# Altium PCB AMC_Box_Mainboard.PcbDoc (part 5 of 8) (continued)
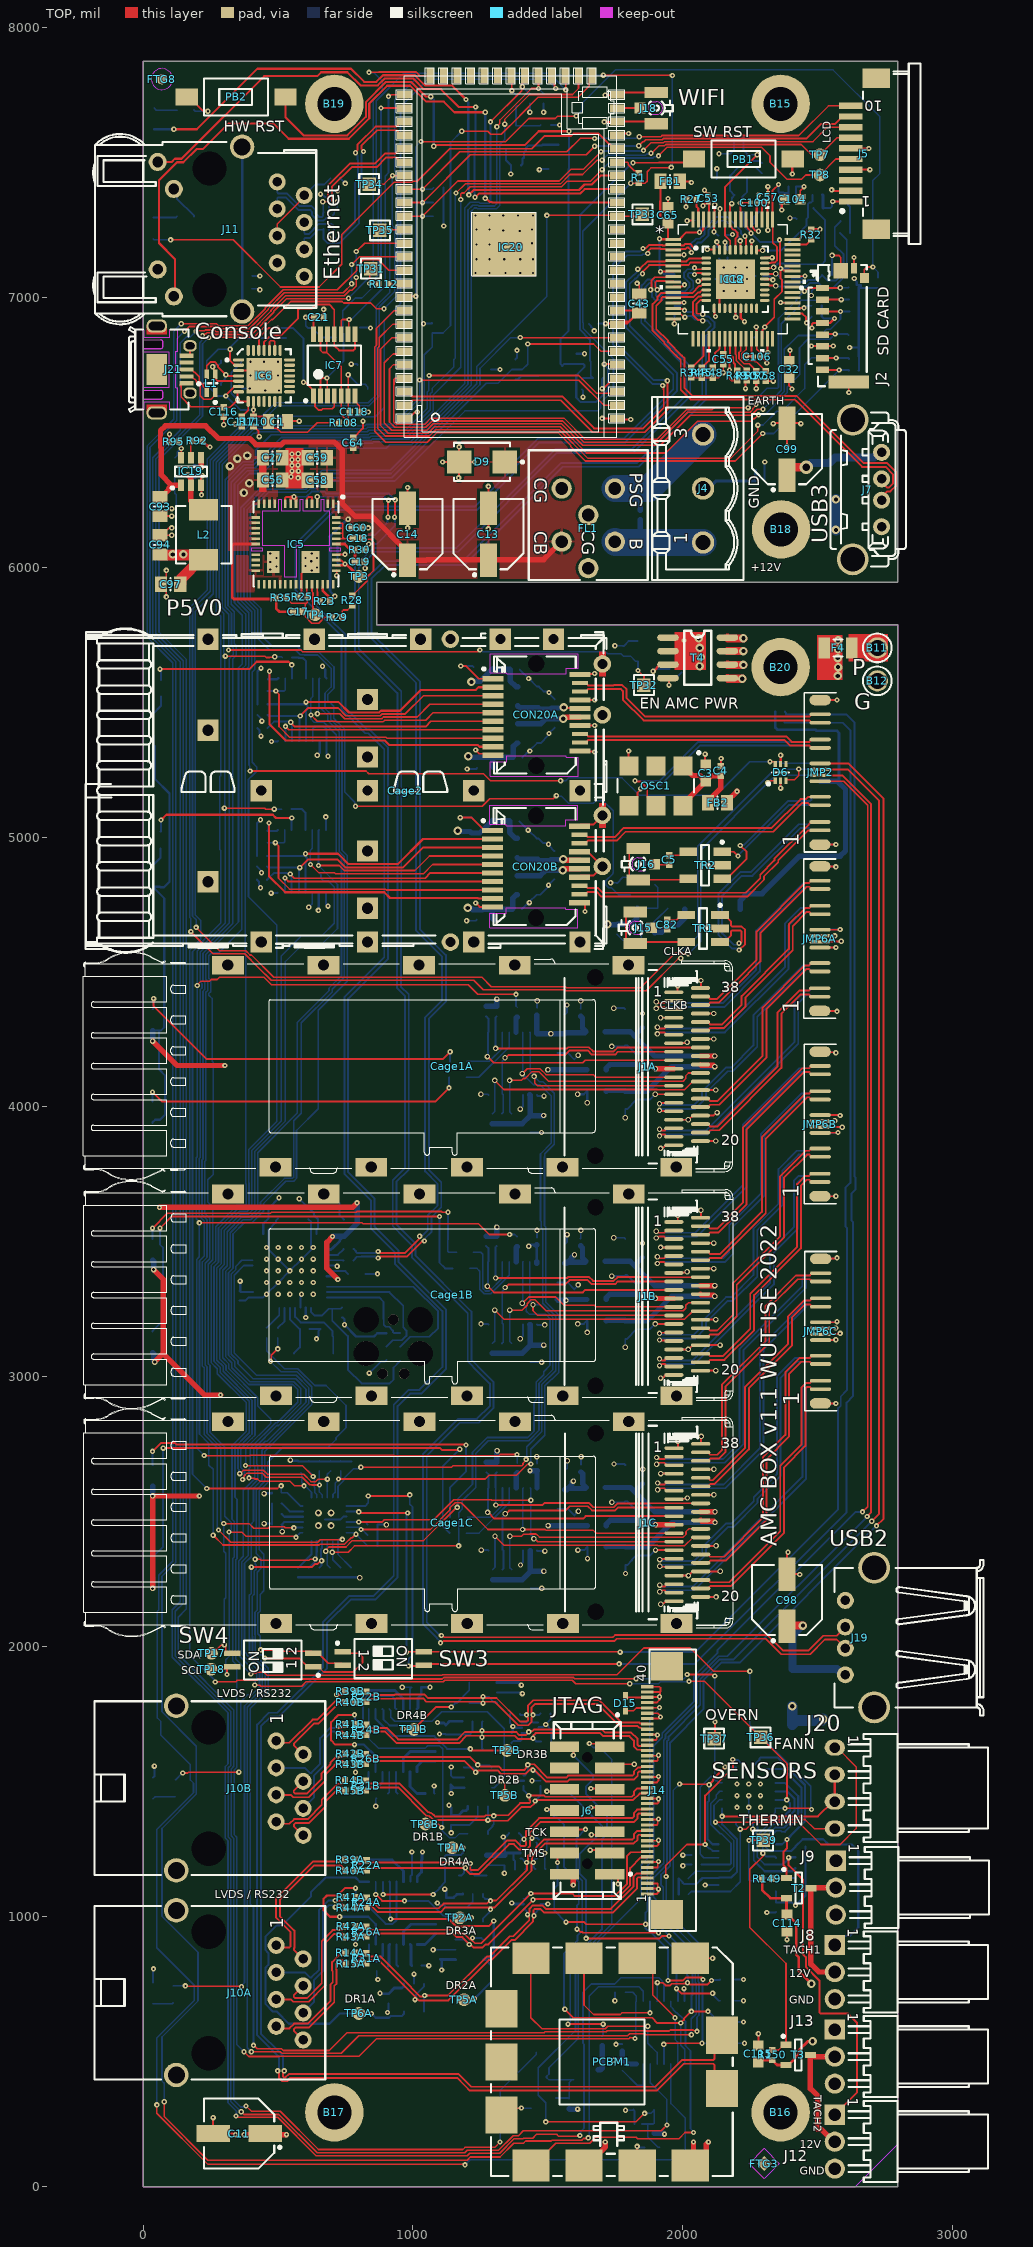
[diagram p0: TOP view]
## Nets (pads, with @x,y where several pads share a name; then routed paths per layer and width w, separated by ;. In a path a pad name is that pad's centre, name@x,y a point inside that pad or via, vN(x,y) a via of type N, cw(c..) or ccw(c..) an arc to the next point about the centre after c; other vN are vias at no path point) (continued)
  BTM w7: v1(721.5,1596.85) 741.73,1596.85 R18B.1@749.21,1604.33
LVDS3_N: D4B.3 IC13B.3 J14.20 R15B.2 R31B.1 | length 1282.9
  TOP w7: R15B.2@786.22,1466.54 794.14,1474.45 794.14,1475.36 798.24,1479.47 813.05,1479.47 824.8,1467.72 R31B.1@825.59,1467.72 826.38,1467.72 837.88,1479.22 944.88,1479.22 1044.16,1379.94 1048.86,1375.24 cw(c1046.26,1343.5) 1071.41,1363.04 1071.97,1362.48 1076.32,1358.13 v1@1271.82,1358.13 ; v1@1277.57,1362.2 1277.57,1361.81 1283.43,1355.95 1352.13,1355.95 1403.11,1406.93 1436.39,1406.93 1448.69,1419.23 ; v1@1460.56,1432.81 1816.35,1432.81 1839.8,1456.26 1865.7,1456.26 J14.20@1868.11,1458.66
  BTM w7: v1@1277.56,1358.14 IC13B.3@1277.56,1409.45 ; v1(1452.76,1429.13) 1472.05,1448.43 D4B.3@1472.05,1484.25
  other v1: 1277.57,1358.13
LVDS3_P: D4B.4 IC13B.4 J14.21 R14B.2 R31B.2 | length 1340.4
  TOP w7: R14B.2@785.04,1505.91 785.04,1505.12 796.69,1493.47 813.54,1493.47 824.8,1504.72 R31B.2@825.59,1504.72 826.38,1504.72 837.88,1493.22 950.68,1493.22 1051.49,1392.42 1055.49,1388.41 cw(c1046.26,1343.5) 1081.87,1372.38 1082.12,1372.13 1266.02,1372.13 1270.09,1376.2 1299.21,1376.2 1352.57,1376.2 1397.31,1420.93 1430.59,1420.93 1434.69,1425.03 1434.69,1430.83 1431.56,1433.96 1431.56,1442.96 1431.39,1443.13 1429.13,1443.13 1434.82,1448.82 1486.26,1448.82 1490.55,1444.53 1811.49,1444.53 1818.26,1451.3 1818.26,1463.2 1830.57,1475.5 1843.89,1475.5 1844.32,1475.94 1865.7,1475.94 J14.21@1868.11,1478.35
  BTM w7: IC13B.4@1277.56,1307.09 1277.56,1316.93 1295.28,1334.65 1295.28,1338.58 1299.21,1342.52 v1(1299.21,1374.02) ; D4B.4@1409.84,1484.25 1409.84,1468.11 v1(1429.13,1448.82)
LVDS3A_N: D4A.3 IC13A.3 J14.4 R15A.2 R31A.1 | length 1503.2
  TOP w7: R15A.2@787.4,826.77 795.32,834.69 795.32,835.6 799.42,839.7 814.24,839.7 825.98,827.95 R31A.1@826.77,827.95 827.56,827.95 839.06,839.46 873.14,839.46 940.94,771.65 v1@1013.78,698.82 ; 1017.94,694.66 1022,690.59 1131.65,690.59 1280.52,839.46 1290.42,839.46 1364.7,913.74 1376.68,913.74 1444.75,981.81 v1@1444.75,997.78 ; v1@1449.86,1002.89 v1(1448.82,1003.94) 1446.39,1006.36 1446.39,1014.29 1446.3,1014.38 1446.3,1024.28 1450.4,1028.38 1473.51,1028.38 1486.72,1015.18 1739.5,1015.18 1830.54,1106.21 1830.54,1142.44 1834.64,1146.54 1840.55,1146.54 1840.99,1146.11 1865.7,1146.11 J14.4@1868.11,1143.7
  BTM w7: v1(1007.87,692.91) 1007.87,696.35 1011.81,700.28 1011.81,712.6 1041.34,742.13 IC13A.3@1041.34,751.97 ; v1(1448.82,1003.94) 1452.76,1007.87 1452.76,1013.58 1466.73,1027.56 D4A.3@1472.05,1027.56
LVDS3A_P: D4A.4 IC13A.4 J14.5 R14A.2 R31A.2 | length 1496.5
  TOP w7: R14A.2@786.22,866.14 786.22,865.35 797.87,853.7 814.73,853.7 825.98,864.96 R31A.2@826.77,864.96 827.56,864.96 839.06,853.46 878.94,853.46 960.74,771.65 1027.8,704.59 v1@1043.31,704.59 ; v1(1043.31,708.66) 1129.92,708.66 1274.72,853.46 1284.63,853.46 1358.9,927.74 1370.88,927.74 1430.75,987.61 1430.75,998.51 1427.17,1002.09 1427.17,1004.09 1427.88,1004.81 v1(1424.74,1007.95) ; v1@1427.88,1007.95 1427.44,1008.39 1427.44,1013.54 1432.3,1018.39 1432.3,1030.08 1444.6,1042.38 1479.31,1042.38 1492.52,1029.18 1733.71,1029.18 1816.54,1112.01 1816.54,1148.24 1828.84,1160.54 1843.89,1160.54 1844.32,1160.98 1865.7,1160.98 J14.5@1868.11,1163.39
  BTM w7: IC13A.4@1041.34,649.61 1041.34,706.69 v1(1043.31,708.66) ; D4A.4@1409.84,1027.56 1415.16,1027.56 1422.31,1020.4 1422.31,1010.38 v1(1424.74,1007.95)
LVDS3CA_N: J10A.8 R15A.1 R21A.1 | length 446.1
  TOP w7: J10A.8@593.31,543.9 559.28,577.93 559.28,583.73 565.73,590.18 615.56,590.18 708.66,683.28 708.66,744.09 716.99,752.42 716.99,804.46 714.48,806.97 714.48,825.21 ; v1@728.48,839.21 738.74,839.21 750.39,827.56 R15A.1@750.39,826.77
  BTM w7: v1(724.41,830.71) 728.35,826.77 R21A.1@750.39,826.77
LVDS3CA_P: J10A.7 R14A.1 | length 457.7
  TOP w7: J10A.7@493.31,594.06 500.61,586.75 542.5,586.75 559.93,604.18 609.76,604.18 694.66,689.08 694.66,749.89 702.99,758.22 702.99,798.66 700.48,801.17 700.48,832.33 725.59,857.44 741.3,857.44 749.21,865.35 R14A.1@749.21,866.14
LVDS3CB_N: J10B.8 R15B.1 R21B.1 | length 333.8
  TOP w7: J10B.8@593.31,1301.77 559.28,1335.8 559.28,1341.6 565.73,1348.05 615.56,1348.05 676.38,1408.87 676.38,1428.06 v1@720.62,1472.3 ; 727.3,1478.98 737.56,1478.98 749.21,1467.32 R15B.1@749.21,1466.54
  BTM w7: v1(724.41,1468.5) 726.38,1466.54 R21B.1@749.21,1466.54
LVDS3CB_P: J10B.7 R14B.1 | length 336.3
  TOP w7: J10B.7@493.31,1351.93 500.61,1344.62 542.5,1344.62 559.93,1362.05 609.76,1362.05 662.38,1414.67 662.38,1433.86 721.5,1492.98 736.01,1492.98 740.11,1497.08 740.11,1497.99 R14B.1@748.03,1505.91
MENABLE#: D6.6 IC20.41 JMP4.6 TP33.1 | length 5390.4
  TOP w6: v1(397.03,5244.71) 826.04,5244.71 836.35,5234.4 1261.66,5234.4 1287.4,5208.66 v1(1547.24,5208.66) ; v1(1496.06,7303.15) 1755.75,7303.15 IC20.41@1758.5,7300.39 1843.7,7300.39 TP33.1@1850.39,7307.09 ; v1(2322.83,5279.53) 2323.28,5279.09 2339.61,5279.09 2342.52,5276.18 D6.6@2342.52,5270.87
  BTM w6: v1(397.03,5244.71) 395.67,5246.06 395.67,5263.55 392.67,5266.55 392.67,5616.04 403.03,5626.41 403.03,5834.93 361.73,5876.23 361.73,6220 451.99,6310.26 593.73,6310.26 608.4,6324.94 629.27,6324.94 663.07,6358.74 915.58,6358.74 1236.64,6679.8 1236.64,6743.02 1496.06,7002.44 v1(1496.06,7303.15) ; v1(1547.24,5208.66) v1(1547.24,5208.66) 1566.09,5208.7 1576.52,5219.14 1774.91,5219.14 1839.18,5154.87 2123.38,5154.87 2248.03,5279.53 v1(2322.83,5279.53) 2357.31,5279.53 2364.01,5272.83 JMP4.6@2507.87,5272.83
MODDEF0A: CON20A.6 IC3A.6 R90A.1 | length 932.3
  TOP w7: v1(547.29,5425.23) v1(547.29,5425.23) 562.99,5409.45 1047.24,5409.45 1066.73,5428.94 CON20A.6@1296.26,5428.94
  BTM w7: R90A.1@461.42,5403.54 461.42,5404.33 469.33,5412.25 470.12,5412.25 486,5428.13 535.65,5428.13 536.12,5427.66 544.86,5427.66 v1(547.29,5425.23) ; v1(547.29,5425.23) 547.24,5421.76 552.17,5416.84 IC3A.6@552.17,5356.3
MODDEF0B: CON20B.6 IC3B.6 R90B.1 | length 932.3
  TOP w7: v1(545.52,4863.26) 545.52,4863.18 561.22,4847.48 1045.47,4847.48 1064.96,4866.97 CON20B.6@1294.49,4866.97
  BTM w7: R90B.1@459.65,4841.57 459.65,4842.36 467.56,4850.28 468.35,4850.28 484.23,4866.16 533.88,4866.16 534.35,4865.69 543.09,4865.69 v1(545.52,4863.26) ; v1@545.47,4863.23 545.47,4859.8 550.39,4854.87 IC3B.6@550.39,4794.33
ModPrsLA: IC14A.7 J1A.27 R74A.1 | length 916.3
  TOP w6: v2(1303.15,4098.43) 1336.57,4065.01 1905,4065.01 1906.11,4063.89 2006.32,4063.89 2036.68,4094.25 J1A.27@2065.22,4094.25
  BTM w6: R74A.1@1294.35,3974.96 1294.73,3974.96 1303.15,3983.38 v2(1303.15,4098.43)
ModPrsLB: IC14B.7 J1B.27 R74B.1 | length 916.3
  TOP w6: v2(1303.27,3247.72) 1336.68,3214.3 1905.11,3214.3 1906.23,3213.18 2006.43,3213.18 2036.79,3243.55 J1B.27@2065.34,3243.55
  BTM w6: R74B.1@1294.47,3124.25 1294.85,3124.25 1303.27,3132.67 v2(1303.27,3247.72)
ModPrsLC: IC14C.7 J1C.27 R74C.1 | length 916.3
  TOP w6: v2(1304.07,2409.68) 1337.49,2376.27 1905.92,2376.27 1907.04,2375.15 2007.24,2375.15 2037.6,2405.51 J1C.27@2066.14,2405.51
  BTM w6: R74C.1@1295.28,2286.22 1295.66,2286.22 1304.07,2294.64 v2(1304.07,2409.68)
ModSelLA: IC14A.6 J1A.8 R80A.1 | length 862.3
  TOP w7: v2(1341.12,4182.14) 1344.29,4182.14 1355.48,4193.33 1564.1,4193.33 1580.48,4209.71 1647.2,4209.71 1662.49,4194.42 1748.64,4194.42 1758.71,4204.49 J1A.8@1966.4,4204.49
  BTM w7: R80A.1@1329.78,3974.96 1334.65,3979.82 1334.65,4045.04 1330.77,4048.92 1330.77,4168.62 1341.12,4178.97 v2(1341.12,4182.14)
ModSelLB: IC14B.6 J1B.8 R80B.1 | length 862.3
  TOP w7: v2(1341.24,3331.43) 1344.41,3331.43 1355.6,3342.62 1564.22,3342.62 1580.59,3359 1647.32,3359 1662.61,3343.71 1748.76,3343.71 1758.83,3353.78 J1B.8@1966.52,3353.78
  BTM w7: R80B.1@1329.9,3124.25 1334.76,3129.11 1334.76,3194.33 1330.89,3198.21 1330.89,3317.91 1341.24,3328.26 v2(1341.24,3331.43)
ModSelLC: IC14C.6 J1C.8 R80C.1 | length 862.3
  TOP w7: v2(1342.04,2493.4) 1345.21,2493.4 1356.4,2504.59 1565.02,2504.59 1581.4,2520.97 1648.13,2520.97 1663.41,2505.68 1749.57,2505.68 1759.64,2515.75 J1C.8@1967.33,2515.75
  BTM w7: R80C.1@1330.71,2286.22 1335.57,2291.08 1335.57,2356.3 1331.69,2360.18 1331.69,2479.88 1342.04,2490.23 v2(1342.04,2493.4)
MPS0#: D6.1 IC20.14 JMP4.8 TP34.1 | length 6435
  TOP w6: v1(196.85,4665.35) 283.75,4578.45 380.89,4578.45 396.35,4562.99 401.57,4562.99 484.25,4480.32 1255.91,4480.32 1290.61,4445.61 1565.13,4445.61 1568.9,4441.84 1843.42,4441.84 1970.32,4568.75 1999.4,4568.75 2001.22,4566.93 v1(2019.69,4566.93) ; TP34.1@838,7419 892.62,7419 v1(924.02,7450.39) IC20.14@968.5,7450.39 ; v1(2314.96,5200.79) 2322.83,5208.66 D6.1@2342.52,5208.66
  BTM w6: v1(196.85,4665.35) 196.85,4693.49 183.32,4707.02 183.32,5844.74 248.76,5910.18 248.76,6396.04 396.77,6544.05 445.62,6544.05 500,6598.43 838.58,6598.43 875.43,6635.28 875.43,6964.28 932.33,7021.17 932.33,7257.67 924.02,7265.99 v1(924.02,7450.39) ; v1(2019.69,4566.93) 2065.84,4613.09 2065.84,4951.67 v1(2314.96,5200.79) 2342.91,5228.74 JMP4.8@2507.87,5228.74
MPS1#: D6.3 IC20.18 JMP4.7 TP35.1 | length 6274.9
  TOP w6: v1(177.17,4649.61) 259.05,4567.73 376.45,4567.73 425.51,4518.66 425.64,4518.66 474.71,4469.59 1225.32,4469.59 1260.03,4434.89 1560.22,4434.89 1563.99,4431.12 1864.19,4431.12 1981.63,4548.56 1989.51,4548.56 v1(1992.13,4551.18) ; TP35.1@877.95,7248.03 880.32,7250.39 v1(914.76,7250.39) IC20.18@968.5,7250.39 ; D6.3@2381.89,5208.66 2381.89,5209.69 2384.8,5212.6 2413.39,5212.6 2429.13,5228.35 v1(2429.13,5251.97)
  BTM w6: v1(177.17,4649.61) 177.17,4698.01 172.6,4702.58 172.6,5849.76 238.04,5915.2 238.04,6400.49 392.32,6554.77 436.66,6554.77 491.04,6609.15 834.14,6609.15 864.71,6639.72 864.71,6968.72 914.76,7018.77 v1(914.76,7250.39) ; v1(1992.13,4551.18) 1992.13,4570.87 2055.12,4633.86 2055.12,4965.79 2340.12,5250.79 JMP4.7@2507.87,5250.79
NetC1_2: C1.2 D1.1 IC6.2 IC6.6 IC6.9 R108.1 R110.2 | length 1195
  TOP w6: R110.2@409.45,6557.87 446.9,6557.87 464.57,6540.2 C1.2@464.57,6539.37 464.57,6532.48 482.24,6514.81 495.52,6514.81 511.11,6499.22 609.46,6499.22 645.67,6535.43 R108.1@725.59,6535.43
  TOP w7: v1(307.09,6633.86) 307.09,6637.11 339.27,6669.29 IC6.6@354.33,6669.29 ; v1(322.83,6807.09) 322.83,6764.47 339.27,6748.03 IC6.2@354.33,6748.03 ; R110.2@409.45,6557.87 v1(409.45,6582.68) IC6.9@409.45,6614.17
  BTM w7: v1(409.45,6582.68) 360.24,6582.68 309.06,6633.86 v1(307.09,6633.86) 279.53,6633.86 278.49,6632.82 236.22,6675.09 236.22,6763.78 279.53,6807.09 v1(322.83,6807.09) 322.83,6814.96 356.3,6848.43 D1.1@529.53,6848.43
NetC5_2: C5.2 J16.1 | length 54.9
  TOP w6: J16.1@1894.69,4899.61 1896.65,4897.64 C5.2@1948.82,4897.64
NetC17_1: C17.1 IC5.36 R25.2 R29.1 R35.1 | length 334.2
  TOP w6: R35.1@530.31,5886.81 530.31,5886.03 550.2,5866.14 605.54,5866.14 ; IC5.36@606.3,5936.02 606.3,5893.51 R25.2@609.05,5890.75 609.05,5869.66 605.54,5866.14 ; R29.1@700.5,5815 673.3,5815 650.78,5792.48 624.81,5792.48 601.72,5815.56 601.72,5826.43 C17.1@592.52,5835.63 601.72,5844.84 601.72,5862.33 605.54,5866.14
NetC18_1: C18.1 R28.2 | length 277.1
  TOP w6: R28.2@775.59,5895.28 776.38,5895.28 830.71,5949.61 830.71,5964.57 853.75,5987.61 853.75,6092.8 843.46,6103.09 817.19,6103.09 C18.1@812.99,6107.29
NetC18_2: C18.2 IC5.48 IC5.49 IC5.50 IC5.51 | length 195.1
  TOP w6: IC5.48@716.54,6105.31 746.06,6105.31 ; IC5.49@716.54,6125 736.64,6125 740.16,6128.51 ; IC5.50@716.54,6144.68 739.2,6144.68 740.16,6145.65 ; IC5.51@716.54,6164.37 718.13,6162.78 740.16,6162.78 740.16,6145.65 ; C18.2@777.56,6107.29 775.59,6105.31 746.06,6105.31 ; 740.16,6128.51 740.16,6145.65 ; 740.16,6128.51 740.16,6111.22 746.06,6105.31
NetC19_2: C19.2 IC5.47 R30.1 | length 121.2
  TOP w10: IC5.47@716.54,6085.63 747.28,6085.63 761.73,6071.18 778.23,6071.18 784.65,6064.77 R30.1@784.65,6063.98 785.04,6063.59 785.04,6021.07 C19.2@785.43,6020.67
NetC20_2: C20.2 J11.2 J11.5 | length 315.6
  TOP w6: J11.5@497.24,7226.97 497.24,7271.5 597.24,7371.5 J11.2@597.24,7376.97
  BTM w6: J11.2@597.24,7376.97 637.6,7417.32 671.26,7417.32 C20.2@694.88,7440.94
NetC21_2: C21.2 D1.3 D21.3 IC7.14 | length 255.8
  TOP w7: v1(602.36,6925.2) C21.2@633.86,6925.2 631.89,6923.23 IC7.14@631.89,6862.2
  BTM w7: v1(602.36,6925.2) 602.91,6924.65 602.91,6895.12 612.2,6885.83 D1.3@620.08,6885.83 627.95,6885.83 663.39,6850.39 D21.3@714.57,6850.39
NetC29_1: C29.1 R36.1 T6.1 | length 273.2
  BTM w6: C29.1@1755.91,4639.76 1778.59,4617.08 1796.31,4617.08 T6.1@1805.12,4608.27 1832.68,4608.27 1846.46,4622.05 1846.46,4645.67 1858.27,4657.48 1858.27,4665.78 1861.78,4669.29 1877.95,4669.29 1905.51,4696.85 1905.51,4697.24 1943.7,4735.43 R36.1@1943.7,4736.22
NetC30_1: C30.1 R37.1 T4.4 | length 109.4
  TOP w7: T4.4@1944.88,5588.98 1948.82,5585.04 v1(1948.82,5562.99)
  BTM w7: v1(1948.82,5562.99) C30.1@1948.82,5588.58 1973.62,5588.58 1995.28,5610.24 R37.1@1996.06,5610.24
NetC70A_1: C70A.1 IC10A.3 | length 177.9
  BTM w10: IC10A.3@964.76,897.64 964.76,945.08 992.13,972.44 C70A.1@1083.86,972.44
NetC70A_2: C70A.2 IC10A.1 | length 84.2
  BTM w10: IC10A.1@1015.95,897.64 1044.49,897.64 C70A.2@1083.86,937.01
NetC70B_1: C70B.1 IC10B.3 | length 178.3
  BTM w10: IC10B.3@963.58,1537.4 963.58,1585.63 990.16,1612.2 C70B.1@1082.68,1612.2
NetC70B_2: C70B.2 IC10B.1 | length 95.8
  BTM w10: IC10B.1@1014.76,1537.4 1014.76,1557.09 1034.45,1576.77 C70B.2@1082.68,1576.77
NetC71A_1: C71A.1 IC10A.5 | length 82.7
  BTM w10: C71A.1@908.66,816.93 911.12,819.39 911.12,895.18 IC10A.5@913.58,897.64
NetC71A_2: C71A.2 IC10A.4 | length 82.7
  BTM w7.87: IC10A.4@939.17,897.64 939.17,821.85 C71A.2@944.09,816.93
NetC71B_1: C71B.1 IC10B.5 | length 82.7
  BTM w7: C71B.1@907.48,1456.69 912.4,1461.61 IC10B.5@912.4,1537.4
NetC71B_2: C71B.2 IC10B.4 | length 82.7
  BTM w7: IC10B.4@937.99,1537.4 937.99,1461.61 C71B.2@942.91,1456.69
NetC72A_1: C72A.1 IC10A.2 | length 81.1
  BTM w10: IC10A.2@990.35,897.64 993.21,894.78 993.21,821.75 C72A.1@996.06,818.9
NetC72B_1: C72B.1 IC10B.2 | length 121.2
  BTM w10: IC10B.2@989.17,1537.4 989.17,1483.27 1015.75,1456.69 C72B.1@1045.28,1456.69
NetC82_2: C82.2 J15.1 | length 60.5
  TOP w7: J15.1@1883.46,4664.17 1935.63,4664.17 C82.2@1941.54,4658.27
NetC88A_1: C88A.1 IC10A.6 | length 72
  BTM w10: C88A.1@866.14,834.65 887.99,856.5 IC10A.6@887.99,897.64
NetC88B_1: C88B.1 IC10B.6 | length 72
  BTM w7: C88B.1@864.96,1474.41 886.81,1496.26 IC10B.6@886.81,1537.4
NetC92_1: C92.1 IC19.4 | length 62.1
  TOP w20: IC19.4@214.96,6405.51 215.79,6404.68 215.79,6370.83 v1(216.54,6370.08)
  BTM w20: C92.1@191.34,6372.05 193.31,6370.08 v1(216.54,6370.08)
NetC92_2: C92.2 IC19.2 L2.1 | length 190.3
  TOP w20: v1(165.35,6342.52) 176.73,6331.14 176.73,6303.98 IC19.2@177.56,6303.15 177.56,6246.65 211.61,6212.6 L2.1@224.41,6212.6
  BTM w20: v1(165.35,6342.52) 169.06,6338.82 189.13,6338.82 C92.2@191.34,6336.61
NetC98_1: C98.1 F1.2 J19.1 | length 440.7
  TOP w30: C98.1@2385.83,2076.77 2387.8,2078.74 v4(2444.88,2078.74)
  BTM w30: v4@2440.94,2078.74 2405.51,2043.31 F1.2@2405.51,1917.91 2571.58,1917.91 2593.04,1896.46 J19.1@2601.97,1896.46
NetC99_1: C99.1 F2.2 J7.1 | length 393.1
  TOP w30: C99.1@2385.83,6340.55 2385.83,6353.58 2402.32,6370.08 v6(2456.69,6370.08)
  BTM w30: v6(2456.69,6370.08) 2472.68,6386.06 2542.95,6386.06 F2.2@2562.99,6406.1 2708.2,6406.1 2727.29,6425.2 J7.1@2736.22,6425.2
NetC102_2: C102.2 IC8.14 | length 79.6
  TOP w7: IC8.14@2194.88,6958.66 2195.44,6958.1 2195.44,6925.76 v1(2196,6925.2)
  BTM w7: v1(2196,6925.2) 2196.43,6925.62 2196.43,6970.05 C102.2@2196.85,6970.47
NetC103_2: C103.2 IC8.34 | length 59.8
  TOP w7: IC8.34@2155.51,7175.2 2155.9,7175.58 2155.9,7202.67 v1(2156.28,7203.05)
  BTM w7: v1(2156.28,7203.05) 2156.28,7202.49 2164.22,7194.56 2164.22,7176.33 C103.2@2165.35,7175.2
NetC118_1: C118.1 D10.1 IC7.5 IC7.6 IC7.12 IC7.13 R108.2 | length 721.1
  TOP w6: IC7.13@657.48,6862.2 657.48,6803.15 665.35,6795.28 681.1,6795.28 ; IC7.12@683.07,6862.2 681.1,6860.24 681.1,6795.28 ; v1(759.84,6712.6) IC7.6@759.84,6633.86 759.84,6544.64 760.48,6544 R108.2@766,6544 ; R108.2@762.6,6535.43 762.6,6536.22 734.25,6564.57 IC7.5@734.25,6633.86 734.25,6742.13 681.1,6795.28
  BTM w6: v1(759.84,6712.6) 795.32,6677.12 822.88,6677.12 832.68,6667.32 D10.1@832.68,6659.45
NetD5_3: D5.3 IC15.2 | length 88.4
  BTM w8: IC15.2@1379.92,6694.88 1388.78,6694.88 1402.56,6708.66 D5.3@1462.6,6708.66
NetD11_2: D11.2 IC6.4 L1.3 | length 225
  TOP w7: L1.3@236.22,6714.57 236.22,6746.02 250.39,6760.19 265.36,6760.19 277.56,6747.99 277.56,6742.13 v1(307.09,6712.6) 310.52,6712.6 314.46,6708.66 IC6.4@354.33,6708.66
  BTM w7: D11.2@289.37,6675.2 289.37,6683.07 304.66,6698.36 304.66,6710.17 v1(307.09,6712.6)
NetD11_3: D11.3 IC6.5 L1.2 | length 184
  TOP w7: v1(257.87,6742.13) 257.87,6738.69 263.34,6733.23 263.34,6718.94 L1.2@267.72,6714.57 269.69,6712.6 269.69,6696.85 277.56,6688.98 IC6.5@354.33,6688.98
  BTM w7: v1(257.87,6742.13) 261.31,6742.13 268.74,6749.56 281.06,6749.56 289.37,6757.87 D11.3@289.37,6765.75
NetF3_1: F3.1 T6.3 | length 166.7
  BTM w20: T6.3@1895.67,4645.67 1897.48,4647.48 1922.48,4647.48 1949.37,4674.37 1982.24,4674.37 2007.28,4699.41 F3.1@2007.28,4732.28
NetF4_1: F4.1 T4.5 T4.6 T4.7 T4.8 | length 236.8
  TOP w30: T4.5@2164.88,5588.98 2167.24,5586.61 v4(2220.47,5586.61) ; T4.6@2164.88,5638.98 2166.06,5637.8 v4(2224.41,5637.8) ; T4.7@2164.88,5688.98 v4(2224.41,5688.98) ; T4.8@2164.88,5738.98 2167.64,5736.22 v4(2224.41,5736.22)
  other v4: 2574,5597 2575,5630 2574,5663 2575,5695 2574.8,5728.35
NetIC3A_11: IC3A.11 R93A.1 | length 595.1
  TOP w7.87: v1(62.99,5622.05) 393.7,5622.05 421.26,5649.61 539.37,5649.61 v1(551.18,5637.8)
  BTM w7.87: v1(62.99,5622.05) 62.99,5618.85 66.93,5614.91 R93A.1@66.93,5582.68 ; v1(551.18,5637.8) 551.67,5637.3 551.67,5589.07 IC3A.11@552.17,5588.58
NetIC3A_13: IC3A.13 R8A.2 | length 119.9
  BTM w7.87: R8A.2@552.76,5665.35 575.98,5665.35 577.75,5663.59 592.32,5663.59 603.35,5652.56 IC3A.13@603.35,5588.58
NetIC3B_11: IC3B.11 R93B.1 | length 584.9
  TOP w7.87: v1(66.93,5062.99) 86.61,5082.68 480.69,5082.68 492.5,5070.87 v1(551.18,5070.87)
  BTM w7.87: R93B.1@65.16,5020.71 66.93,5022.48 v1(66.93,5062.99) ; IC3B.11@550.39,5026.61 550.79,5027.01 550.79,5070.47 v1(551.18,5070.87)
NetIC3B_13: IC3B.13 R8B.2 | length 119.9
  BTM w7.87: R8B.2@550.98,5103.39 588.78,5103.39 601.57,5090.59 IC3B.13@601.57,5026.61
NetIC5_4: IC5.4 IC5.43 IC5.44 TP3.1 | length 831.4
  TOP w7: IC5.4@645.67,6235.24 v1(645.67,6260.83) ; IC5.44@716.54,6026.57 717.96,6025.15 734.69,6025.15 v1(748.03,6011.81) ; v1(907.52,6185.04) 907.52,6246.1 v1(909.45,6248.03)
  TOP w10: IC5.43@716.54,6006.89 740.49,6006.89 745.41,6011.81 v1(748.03,6011.81) ; v1@748.03,6006.89 757.88,6006.89 TP3.1@799.21,5965.55
  BTM w7: v1(645.67,6260.83) 893.48,6260.83 906.27,6248.03 v1(909.45,6248.03) ; v1(748.03,6011.81) 724.57,6011.81 720.47,6015.91 720.47,6078.74 728.35,6086.61 744.09,6086.61 775.59,6118.11 858.27,6118.11 905.09,6164.94 905.09,6182.61 v1(907.52,6185.04)
NetIC5_5: IC5.5 IC5.6 | length 64.8
  TOP w7: IC5.6@606.3,6235.24 607.72,6236.66 607.72,6254.37 613.19,6259.84 625.82,6259.84 625.82,6235.4 IC5.5@625.98,6235.24
NetIC5_8: IC5.8 IC5.9 IC5.10 R30.2 | length 725
  TOP w7: IC5.10@527.56,6235.24 526.14,6236.66 526.14,6255.74 530.24,6259.84 547.24,6259.84 ; IC5.9@547.24,6235.24 547.24,6258.12 547.43,6258.31 557.37,6258.31 v1(559.58,6260.52) ; R30.2@821.65,6063.98 821.65,6064.77 833.76,6076.87 833.76,6083.09 v1(836.19,6085.52) ; v1(931.93,6185.23) 933.72,6187.02 933.72,6249.12 v1(933.98,6249.38)
  BTM w7: v1(559.58,6260.52) 559.79,6260.74 605.57,6260.74 624.37,6279.53 672.37,6279.53 679.35,6272.55 910.8,6272.55 v1(933.98,6249.38) ; v1(836.19,6085.52) 865.05,6085.52 933.46,6153.93 933.46,6183.7 v1(931.93,6185.23)
NetIC5_37: IC5.37 TP4.1 | length 117.1
  TOP w6: IC5.37@625.98,5936.02 625.98,5908.37 629.68,5904.68 629.68,5847.96 629.9,5847.73 629.9,5831.71 TP4.1@637.8,5823.82
NetIC5_38: IC5.38 R23.1 | length 67.1
  TOP w7: IC5.38@645.67,5936.02 645.67,5908.09 646.81,5906.96 646.81,5889.81 647.58,5889.04 647.58,5880.92 R23.1@655.5,5873
NetIC6_23: IC6.23 IC6.24 | length 86.2
  TOP w6: IC6.24@468.5,6803.15 468.5,6834.65 472.44,6838.58 484.67,6838.58 488.19,6835.07 IC6.23@488.19,6803.15
NetIC6_25: IC6.25 IC7.8 IC7.11 | length 648.7
  TOP w7: IC6.25@448.82,6803.15 448.82,6834.65 472.44,6858.27 511.81,6858.27 574.8,6921.26 574.8,6954.14 578.9,6958.24 626.95,6958.24 641.73,6973.03 689.78,6973.03 708.66,6954.14 IC7.11@708.66,6862.2 708.66,6820.87 726.38,6803.15 779.53,6803.15 785.43,6809.06 IC7.8@785.43,6862.2
NetIC6_26: IC6.26 IC7.1 IC7.4 | length 637.4
  TOP w7: IC6.26@429.13,6803.15 429.13,6850.39 464.57,6885.83 v1(498.03,6885.83) ; v1(594.49,6685.04) 596.92,6682.61 602.82,6682.61 631.89,6653.54 IC7.1@631.89,6633.86 637.25,6628.5 637.25,6595.04 649.61,6582.68 661.42,6582.68 665.35,6586.61 700.79,6586.61 708.66,6594.49 IC7.4@708.66,6633.86
  BTM w7: v1(498.03,6885.83) 555.89,6885.83 594.49,6847.23 v1(594.49,6685.04)
NetIC7_2: IC7.2 IC7.3 IC20.13 | length 1340.1
  TOP w6: IC7.2@657.48,6633.86 657.48,6692.91 665.35,6700.79 v1(681.1,6700.79) 682.09,6699.8 682.09,6634.84 IC7.3@683.07,6633.86 ; v1(881.89,7700.79) 968.11,7700.79 IC20.13@968.5,7700.39
  BTM w6: v1(681.1,6700.79) 742.96,6762.65 742.96,6866.39 740.16,6869.19 740.16,6950.31 786.8,6996.96 810.98,6996.96 881.89,7067.87 v1(881.89,7700.79)
NetIC7_9: IC7.9 IC7.10 IC20.12 | length 1092.7
  TOP w6: IC7.10@734.25,6862.2 734.25,6913.81 737.77,6917.32 v1(763.78,6917.32) 761.81,6915.35 761.81,6864.17 IC7.9@759.84,6862.2 ; v1(909.45,7744.09) 913.15,7744.09 919.45,7750.39 IC20.12@968.5,7750.39
  BTM w6: v1(763.78,6917.32) 771.65,6917.32 897.2,7042.87 897.2,7448.42 909.45,7460.67 v1(909.45,7744.09)
NetIC8_35: IC8.35 R103.1 | length 61.9
  TOP w7: v1(2126.06,7204.86) 2128.49,7202.43 2128.49,7195.83 2135.83,7188.49 IC8.35@2135.83,7175.2
  BTM w7: v1(2126.06,7204.86) 2126.06,7187.72 R103.1@2133.86,7179.92
NetIC12_19: IC12.19 R34.1 | length 126.2
  TOP w7: R34.1@2031.5,6738.98 2032.28,6738.98 2076.77,6783.46 IC12.19@2076.77,6845.93
NetIC12_20: IC12.20 R45.1 | length 118.8
  TOP w7: R45.1@2070,6738.5 2070.79,6738.5 2096.46,6764.17 IC12.20@2096.46,6845.93
NetIC12_22: IC12.22 R48.1 | length 118.6
  TOP w7: R48.1@2110,6738.5 2110.79,6738.5 2118.7,6746.42 2118.7,6792.46 2135.83,6809.58 IC12.22@2135.83,6845.93
NetIC12_24: IC12.24 R49.1 | length 128.6
  TOP w8: IC12.24@2175.2,6845.93 2175.2,6787.04 2185.48,6776.76 2185.48,6759.81 2192.58,6752.71 2192.58,6735.76 2200,6728.35 R49.1@2200.79,6728.35
NetIC12_25: IC12.25 R50.1 | length 135.2
  TOP w6: IC12.25@2194.88,6845.93 2194.88,6788.47 2197.2,6786.14 2197.2,6766.57 2235.43,6728.35 R50.1@2236.22,6728.35
NetIC12_26: IC12.26 R57.1 | length 159.8
  TOP w6: IC12.26@2214.57,6845.93 2214.57,6801.82 2207.93,6795.18 2207.93,6771.75 2226.47,6753.2 2245.91,6753.2 2262.45,6736.66 2262.45,6735.58 2270.87,6727.17 R57.1@2271.65,6727.17
NetIC12_27: IC12.27 R58.1 | length 184.9
  TOP w6: IC12.27@2234.25,6845.93 2234.25,6806.34 2218.65,6790.74 2218.65,6776.19 2230.91,6763.93 2264.92,6763.93 2268.64,6760.21 2273.25,6760.21 2306.3,6727.17 R58.1@2307.09,6727.17
NetIC12_34: IC12.34 R67.2 | length 109.3
  TOP w7: IC12.34@2406.04,6938.98 2442.91,6938.98 2456.57,6925.32 2456.57,6907.43 v1(2459,6905)
  BTM w7: v1(2459,6905) 2461.43,6907.43 2461.43,6912.21 2477.56,6928.35 R67.2@2477.56,6929.13
NetIC12_35: IC12.35 R66.2 | length 75.6
  TOP w7: IC12.35@2406.04,6958.66 2407.02,6959.65 2447.83,6959.65 v1(2448.82,6960.63)
  BTM w7: v1(2448.82,6960.63) 2450.91,6960.63 2458.78,6968.5 R66.2@2477.56,6968.5
NetIC12_47: IC12.47 R32.2 | length 78.2
  TOP w7: IC12.47@2406.04,7194.88 2456.69,7194.88 2475.59,7213.78 R32.2@2476.38,7213.78
NetIC12_63: IC12.63 R27.1 | length 77.2
  TOP w8: R27.1@2050,7362.2 2050,7336.26 2057.09,7329.17 IC12.63@2057.09,7287.93
NetIC14A_11: IC14A.11 R87A.1 | length 211.3
  BTM w6: R87A.1@1199.86,4169.06 1283.23,4169.06 1330.77,4216.6 IC14A.11@1330.77,4277.33
NetIC14A_12: IC14A.12 R7A.1 | length 260.8
  BTM w6: R7A.1@1196.85,4110.24 1244.09,4110.24 1356.36,4222.5 IC14A.12@1356.36,4277.33
NetIC14A_13: IC14A.13 R10A.2 | length 57.8
  BTM w20: IC14A.13@1381.95,4277.33 1381.95,4329.98 1385.04,4333.07 R10A.2@1385.83,4333.07
NetIC14B_11: IC14B.11 R87B.1 | length 320.3
  BTM w6: R87B.1@1224.5,3462 1251.21,3462 1258.23,3454.99 1258.23,3328.75 1268.63,3318.35 1283.35,3318.35 1330.89,3365.89 IC14B.11@1330.89,3426.62
NetIC14B_12: IC14B.12 R7B.1 | length 303.3
  BTM w6: R7B.1@1210.5,3402 1237.21,3402 1247.5,3391.71 1247.5,3324.31 1264.19,3307.62 1287.79,3307.62 1356.48,3376.31 IC14B.12@1356.48,3426.62
NetIC14B_13: IC14B.13 R10B.2 | length 57.8
  BTM w20: IC14B.13@1382.07,3426.62 1382.07,3479.27 1385.16,3482.36 R10B.2@1385.94,3482.36
NetIC14C_11: IC14C.11 R87C.1 | length 213.1
  BTM w6: R87C.1@1200.79,2480.32 1287.12,2480.32 1331.69,2524.89 IC14C.11@1331.69,2588.58
NetIC14C_12: IC14C.12 R7C.1 | length 260.8
  BTM w6: R7C.1@1197.77,2421.49 1245.02,2421.49 1357.28,2533.76 IC14C.12@1357.28,2588.58
NetIC14C_13: IC14C.13 R10C.2 | length 57.8
  BTM w20: IC14C.13@1382.87,2588.58 1382.87,2641.24 1385.96,2644.33 R10C.2@1386.75,2644.33
NetIC16_18: IC16.18 R196.2 | length 118.8
  BTM w8: R196.2@574.8,2293.31 624.02,2342.52 IC16.18@624.02,2391.73
NetIC16_22: IC16.22 R194.2 | length 82.8
  BTM w8: R194.2@513.78,2492.13 523.62,2482.28 IC16.22@592.52,2482.28
NetIC16_23: IC16.23 R195.2 | length 91
  BTM w8: R195.2@513.78,2531.5 543.31,2501.97 IC16.23@592.52,2501.97